# KiCad board Control_1v1.kicad_pcb (continued)
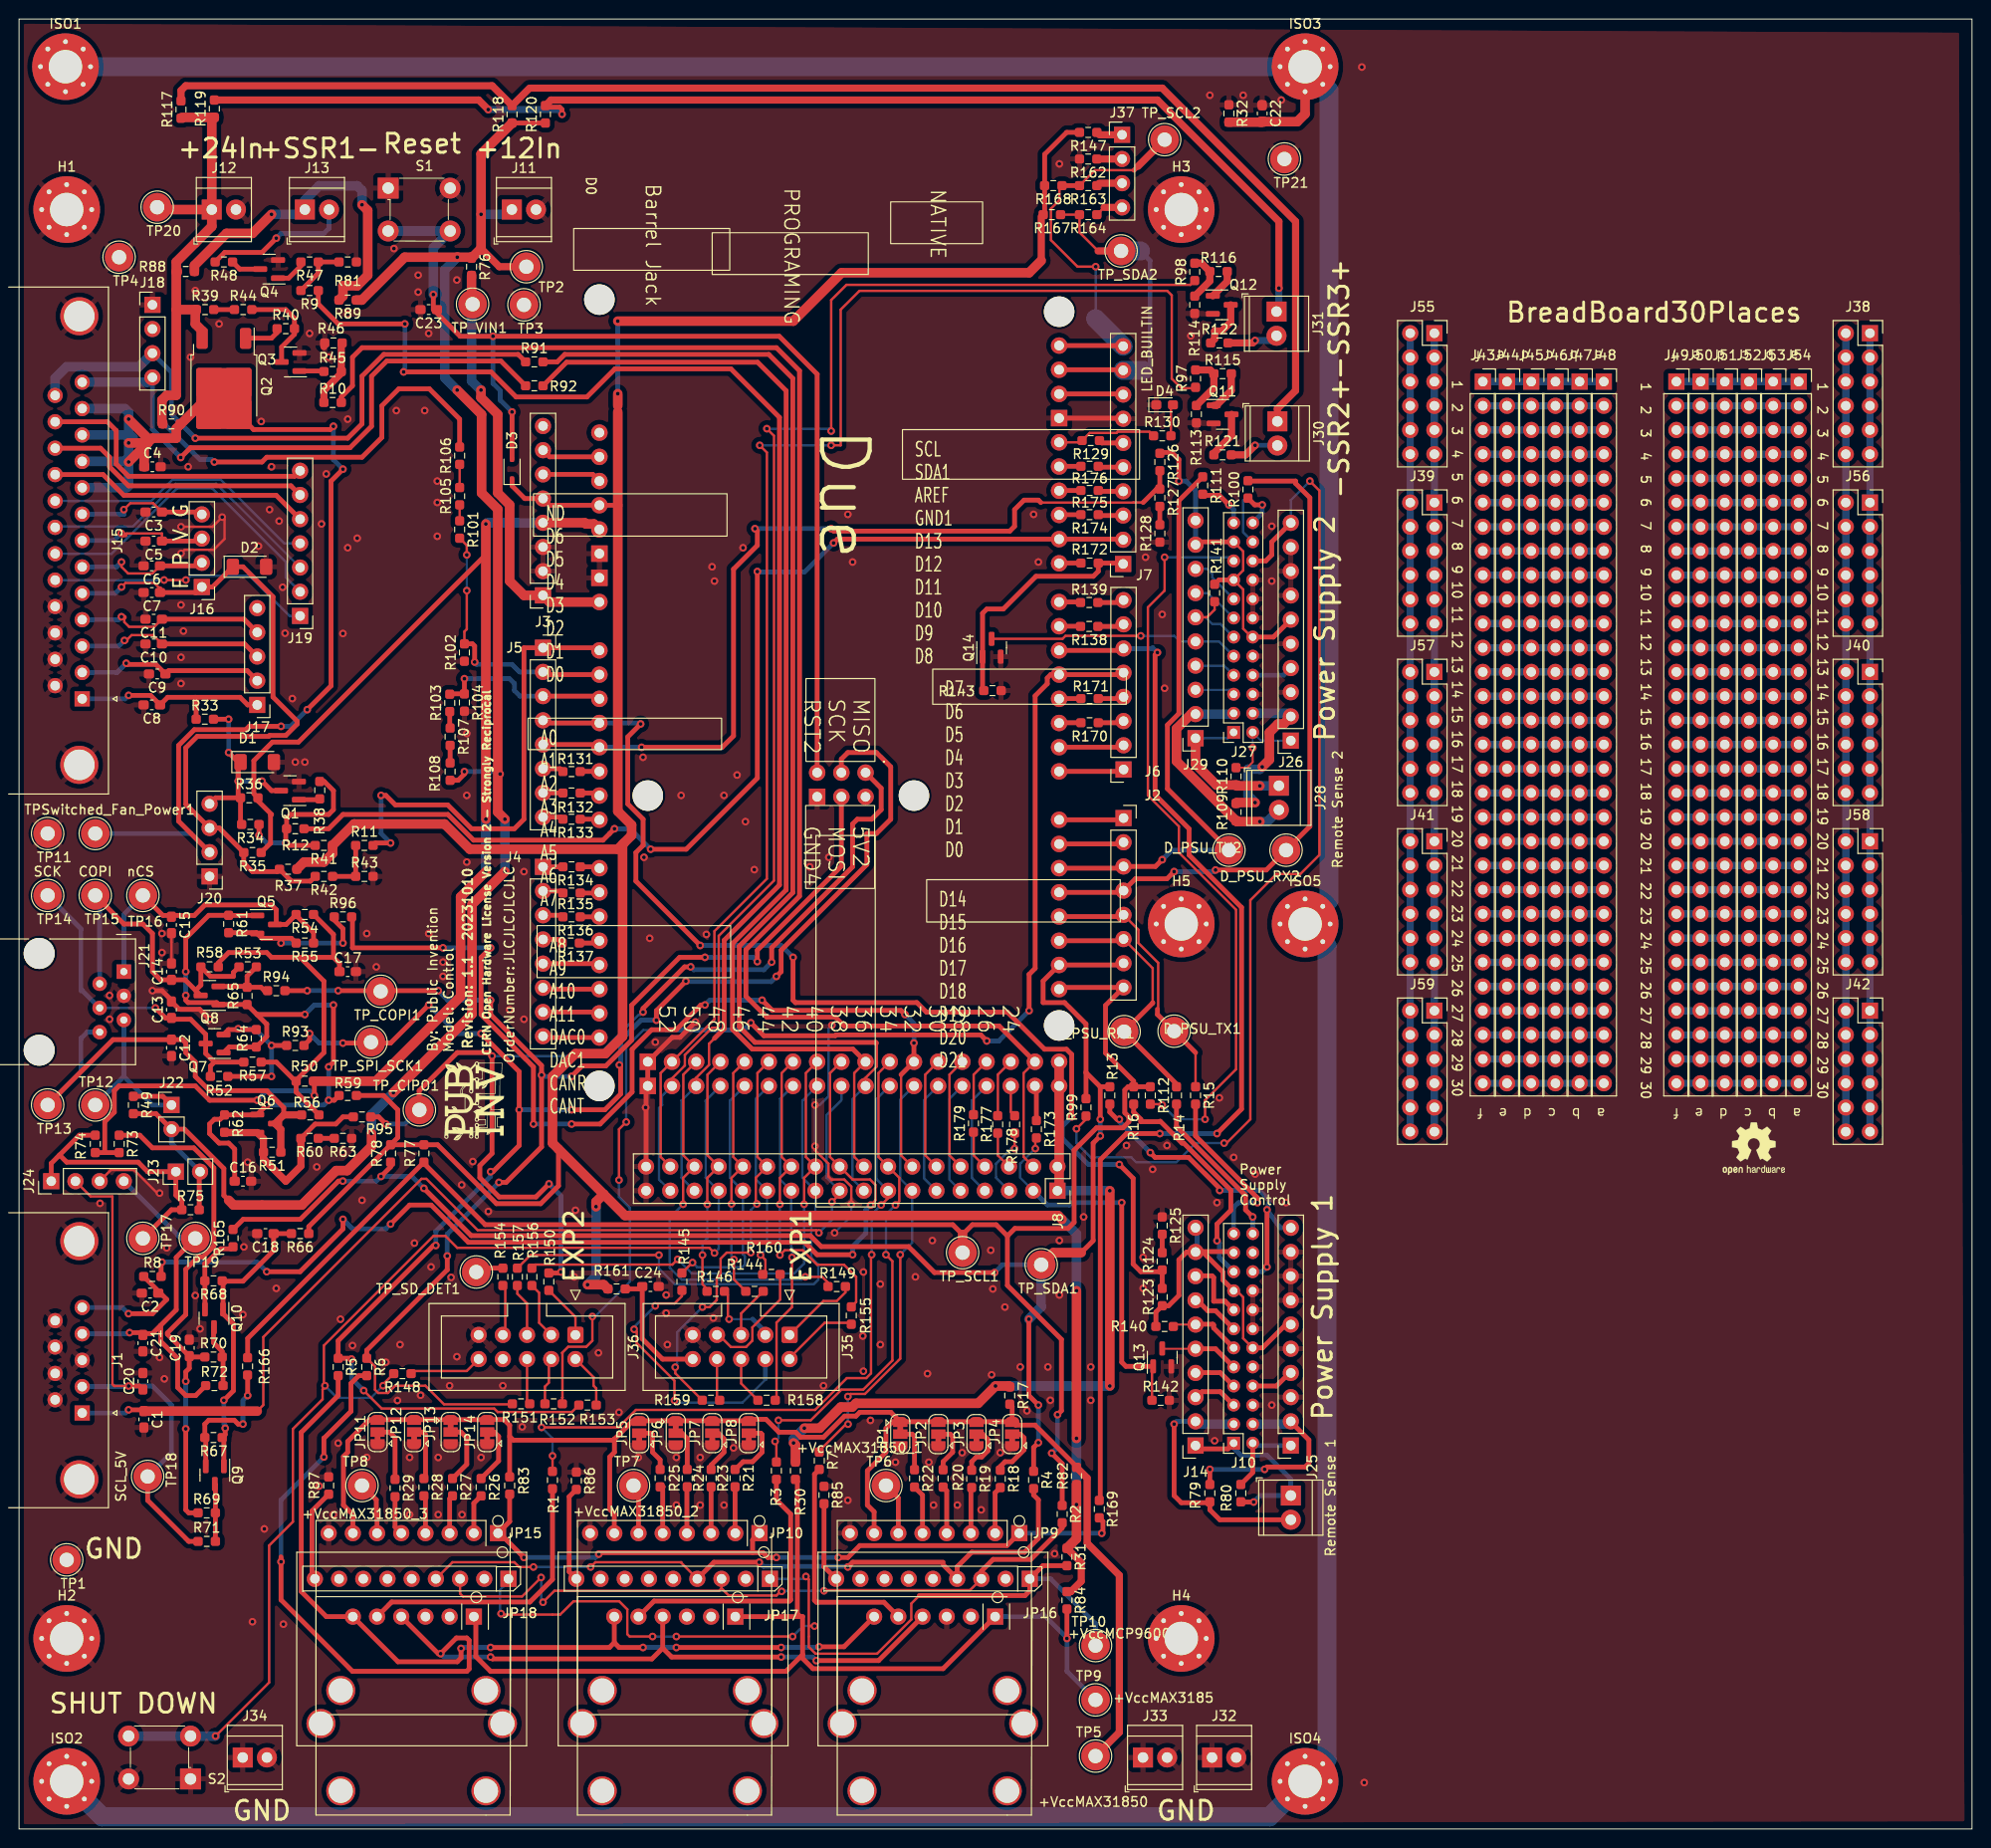
[diagram p0: board, top side]
## Placement (name value [footprint] x y rotation side) (continued)
R99  1R0  [R_0603_1608Metric_Pad0.98x0.95mm_HandSolder]  112 75.75 90 top
R100  1R0  [R_0603_1608Metric_Pad0.98x0.95mm_HandSolder]  129 140.62 90 top
R101  10K  [R_0603_1608Metric_Pad0.98x0.95mm_HandSolder]  46.25 136.41 270 top
R102  4K7  [R_0603_1608Metric_Pad0.98x0.95mm_HandSolder]  46.75 123.5 90 top
R103  10K  [R_0603_1608Metric_Pad0.98x0.95mm_HandSolder]  45.21 118.21 90 top
R104  10K  [R_0603_1608Metric_Pad0.98x0.95mm_HandSolder]  46.75 118.25 270 top
R105  10K  [R_0603_1608Metric_Pad0.98x0.95mm_HandSolder]  46.25 139.91 90 top
R106  10K  [R_0603_1608Metric_Pad0.98x0.95mm_HandSolder]  46.25 144.16 90 top
R107  10K  [R_0603_1608Metric_Pad0.98x0.95mm_HandSolder]  45.25 114.66 270 top
R108  10K  [R_0603_1608Metric_Pad0.98x0.95mm_HandSolder]  45.25 111 270 top
R109  1R0  [R_0603_1608Metric_Pad0.98x0.95mm_HandSolder]  127.75 106.75 90 top
R110  1R0  [R_0603_1608Metric_Pad0.98x0.95mm_HandSolder]  127.75 110.5 90 top
R111  1R0  [R_0603_1608Metric_Pad0.98x0.95mm_HandSolder]  124.25 141.03 270 top
R112  1R0  [R_0603_1608Metric_Pad0.98x0.95mm_HandSolder]  118.75 77 270 top
R113  10K  [R_0603_1608Metric_Pad0.98x0.95mm_HandSolder]  123.59 148.52 270 top
R114  10K  [R_0603_1608Metric_Pad0.98x0.95mm_HandSolder]  123.41 160 270 top
R115  1K  [R_0603_1608Metric_Pad0.98x0.95mm_HandSolder]  126.34 152.77 0 top
R116  1K  [R_0603_1608Metric_Pad0.98x0.95mm_HandSolder]  125.91 163.5 0 top
R117  1R0  [R_0603_1608Metric_Pad0.98x0.95mm_HandSolder]  17 180.5 90 top
R118  DNI  [R_0603_1608Metric_Pad0.98x0.95mm_HandSolder]  51.75 180 90 top
R119  1R0  [R_0603_1608Metric_Pad0.98x0.95mm_HandSolder]  20.5 180.59 90 top
R120  DNI  [R_0603_1608Metric_Pad0.98x0.95mm_HandSolder]  55.25 180 90 top
R121  1R0  [R_0603_1608Metric_Pad0.98x0.95mm_HandSolder]  126.34 144.25 0 top
R122  1R0  [R_0603_1608Metric_Pad0.98x0.95mm_HandSolder]  126 156 0 top
R123  10K  [R_0603_1608Metric_Pad0.98x0.95mm_HandSolder]  120 55.84 90 top
R124  10K  [R_0603_1608Metric_Pad0.98x0.95mm_HandSolder]  120 59.59 90 top
R125  4K7  [R_0603_1608Metric_Pad0.98x0.95mm_HandSolder]  120 63.34 270 top
R126  10K  [R_0603_1608Metric_Pad0.98x0.95mm_HandSolder]  119.75 143.5 270 top
R127  10K  [R_0603_1608Metric_Pad0.98x0.95mm_HandSolder]  119.75 139.75 270 top
R128  4K7  [R_0603_1608Metric_Pad0.98x0.95mm_HandSolder]  119.75 136 90 top
R129  39R  [R_0603_1608Metric_Pad0.98x0.95mm_HandSolder]  112.5 145.75 180 top
R130  1K  [R_0603_1608Metric_Pad0.98x0.95mm_HandSolder]  120 146.25 0 top
R131  39R  [R_0603_1608Metric_Pad0.98x0.95mm_HandSolder]  58 111 180 top
R132  39R  [R_0603_1608Metric_Pad0.98x0.95mm_HandSolder]  58 108.75 180 top
R133  39R  [R_0603_1608Metric_Pad0.98x0.95mm_HandSolder]  58 106 180 top
R134  39R  [R_0603_1608Metric_Pad0.98x0.95mm_HandSolder]  58 101 180 top
R135  39R  [R_0603_1608Metric_Pad0.98x0.95mm_HandSolder]  58 98.25 180 top
R136  39R  [R_0603_1608Metric_Pad0.98x0.95mm_HandSolder]  58 95.75 180 top
R137  39R  [R_0603_1608Metric_Pad0.98x0.95mm_HandSolder]  57.91 93 180 top
R138  39R  [R_0603_1608Metric_Pad0.98x0.95mm_HandSolder]  112.34 126.24 180 top
R139  39R  [R_0603_1608Metric_Pad0.98x0.95mm_HandSolder]  112.34 128.75 180 top
R140  1R0  [R_0603_1608Metric_Pad0.98x0.95mm_HandSolder]  120.25 52.75 0 top
R141  1R0  [R_0603_1608Metric_Pad0.98x0.95mm_HandSolder]  125.5 129.75 270 top
R142  10K  [R_0603_1608Metric_Pad0.98x0.95mm_HandSolder]  119.84 45 0 top
R143  10K  [R_0603_1608Metric_Pad0.98x0.95mm_HandSolder]  102.18 119.5 0 top
R144  1R0  [R_0603_1608Metric_Pad0.98x0.95mm_HandSolder]  77.2 56.44 180 top
R145  1R0  [R_0603_1608Metric_Pad0.98x0.95mm_HandSolder]  69.58 57.45 90 top
R146  1R0  [R_0603_1608Metric_Pad0.98x0.95mm_HandSolder]  73.14 56.44 180 top
R147  1R0  [R_0603_1608Metric_Pad0.98x0.95mm_HandSolder]  112.23 178.1 180 top
R148  1R0  [R_0603_1608Metric_Pad0.98x0.95mm_HandSolder]  40.24 47.8 180 top
R149  1R0  [R_0603_1608Metric_Pad0.98x0.95mm_HandSolder]  85.84 56.94 180 top
R150  1R0  [R_0603_1608Metric_Pad0.98x0.95mm_HandSolder]  55.61 57.45 90 top
R151  1R0  [R_0603_1608Metric_Pad0.98x0.95mm_HandSolder]  52.69 44.62 180 top
R152  1R0  [R_0603_1608Metric_Pad0.98x0.95mm_HandSolder]  56.12 44.62 0 top
R153  1R0  [R_0603_1608Metric_Pad0.98x0.95mm_HandSolder]  59.67 44.5 180 top
R154  1R0  [R_0603_1608Metric_Pad0.98x0.95mm_HandSolder]  50.78 57.96 90 top
R155  1R0  [R_0603_1608Metric_Pad0.98x0.95mm_HandSolder]  87.36 53.9 270 top
R156  1R0  [R_0603_1608Metric_Pad0.98x0.95mm_HandSolder]  53.83 57.96 270 top
R157  1R0  [R_0603_1608Metric_Pad0.98x0.95mm_HandSolder]  52.31 57.96 270 top
R158  1R0  [R_0603_1608Metric_Pad0.98x0.95mm_HandSolder]  78.47 45.01 180 top
R159  1R0  [R_0603_1608Metric_Pad0.98x0.95mm_HandSolder]  72.63 45.01 0 top
R160  1R0  [R_0603_1608Metric_Pad0.98x0.95mm_HandSolder]  78.98 58.21 0 top
R161  1R0  [R_0603_1608Metric_Pad0.98x0.95mm_HandSolder]  62.72 56.69 180 top
R162  1R0  [R_0603_1608Metric_Pad0.98x0.95mm_HandSolder]  112.23 175.31 180 top
R163  1R0  [R_0603_1608Metric_Pad0.98x0.95mm_HandSolder]  112.23 172.51 180 top
R164  1R0  [R_0603_1608Metric_Pad0.98x0.95mm_HandSolder]  112.23 169.47 180 top
R165  1R0  [R_0603_1608Metric_Pad0.98x0.95mm_HandSolder]  22.46 62.02 90 top
R166  1R0  [R_0603_1608Metric_Pad0.98x0.95mm_HandSolder]  23.99 48.56 90 top
R167  4K7  [R_0603_1608Metric_Pad0.98x0.95mm_HandSolder]  108.42 169.47 180 top
R168  4K7  [R_0603_1608Metric_Pad0.98x0.95mm_HandSolder]  108.57 172.51 180 top
R169  1R0  [R_0603_1608Metric_Pad0.98x0.95mm_HandSolder]  113.4 33.58 90 top
R170  39R  [R_0603_1608Metric_Pad0.98x0.95mm_HandSolder]  112.38 116.13 180 top
R171  39R  [R_0603_1608Metric_Pad0.98x0.95mm_HandSolder]  112.38 118.67 180 top
R172  1K  [R_0603_1608Metric_Pad0.98x0.95mm_HandSolder]  112.38 132.89 0 top
R173  1K  [R_0603_1608Metric_Pad0.98x0.95mm_HandSolder]  106.79 73.45 270 top
R174  39R  [R_0603_1608Metric_Pad0.98x0.95mm_HandSolder]  112.38 137.97 180 top
R175  39R  [R_0603_1608Metric_Pad0.98x0.95mm_HandSolder]  112.38 140.51 180 top
R176  39R  [R_0603_1608Metric_Pad0.98x0.95mm_HandSolder]  112.38 143.05 180 top
R177  39R  [R_0603_1608Metric_Pad0.98x0.95mm_HandSolder]  102.73 73.96 90 top
R178  39R  [R_0603_1608Metric_Pad0.98x0.95mm_HandSolder]  104.51 73.96 90 top
R179  39R  [R_0603_1608Metric_Pad0.98x0.95mm_HandSolder]  100.19 74.07 90 top
REF**  -  [OSHW-Logo2_7.3x6mm_SilkScreen]  182.1 71.42 0 top
S1  SWITCH_TACTILE_SPST-NO_0.05A_24V  [Switch_Tactile_THT_6x6mm]  38.75 172.25 0 top
S2  SWITCH_TACTILE_SPST-NO_0.05A_24V  [Switch_Tactile_THT_6x6mm]  18 5.25 180 top
TP1  GND  [TestPoint_Loop_D2.54mm_Drill1.5mm_Beaded]  5 28.25 0 top
TP2  +12V  [TestPoint_Loop_D2.54mm_Drill1.5mm_Beaded]  53.25 164 0 top
TP3  GND  [TestPoint_Loop_D2.54mm_Drill1.5mm_Beaded]  53 160 0 top
TP4  GND  [TestPoint_Loop_D2.54mm_Drill1.5mm_Beaded]  10.5 165 0 top
TP5  +VccMAX31850  [TestPoint_Loop_D2.54mm_Drill1.5mm_Beaded]  113 7.65 180 top
TP6  +VccMAX31850_1  [TestPoint_Loop_D2.54mm_Drill1.5mm_Beaded]  91 36.05 180 top
TP7  +VccMAX31850_2  [TestPoint_Loop_D2.54mm_Drill1.5mm_Beaded]  64.5 36.05 180 top
TP8  +VccMAX31850_3  [TestPoint_Loop_D2.54mm_Drill1.5mm_Beaded]  36 36.05 180 top
TP9  +VccMAX3185  [TestPoint_Loop_D2.54mm_Drill1.5mm_Beaded]  113 13.55 180 top
TP10  +VccMCP9600  [TestPoint_Loop_D2.54mm_Drill1.5mm_Beaded]  113 19.25 180 top
TP11  GND  [TestPoint_Loop_D2.54mm_Drill1.5mm_Beaded]  3 104.5 0 top
TP12  ControllerVCC  [TestPoint_Loop_D2.54mm_Drill1.5mm_Beaded]  8 76 0 top
TP13  CPIO  [TestPoint_Loop_D2.54mm_Drill1.5mm_Beaded]  3 76 0 top
TP14  SCK  [TestPoint_Loop_D2.54mm_Drill1.5mm_Beaded]  3 98 0 top
TP15  COPI  [TestPoint_Loop_D2.54mm_Drill1.5mm_Beaded]  8 98 0 top
TP16  nCS  [TestPoint_Loop_D2.54mm_Drill1.5mm_Beaded]  13 98 180 top
TP17  I2C_VCC  [TestPoint_Loop_D2.54mm_Drill1.5mm_Beaded]  13 62 90 top
TP18  SCL_5V  [TestPoint_Loop_D2.54mm_Drill1.5mm_Beaded]  13.5 37 90 top
TP19  SDA_5V  [TestPoint_Loop_D2.54mm_Drill1.5mm_Beaded]  18.5 62 0 top
TP20  +24V  [TestPoint_Loop_D2.54mm_Drill1.5mm_Beaded]  14.5 170.25 0 top
TP21  GND  [TestPoint_Loop_D2.54mm_Drill1.5mm_Beaded]  132.83 175.31 0 top
TP_CIPO1  CIPO  [TestPoint_Loop_D2.54mm_Drill1.5mm_Beaded]  42.02 75.49 0 top
TP_COPI1  COPI  [TestPoint_Loop_D2.54mm_Drill1.5mm_Beaded]  37.96 87.93 0 top
TP_SCL1  SCL  [TestPoint_Loop_D2.54mm_Drill1.5mm_Beaded]  99.04 60.5 0 top
TP_SCL2  SCL1  [TestPoint_Loop_D2.54mm_Drill1.5mm_Beaded]  120.25 177.34 0 top
TP_SD_DET1  TP_SD_DET  [TestPoint_Loop_D2.54mm_Drill1.5mm_Beaded]  47.99 58.47 0 top
TP_SDA1  SDA  [TestPoint_Loop_D2.54mm_Drill1.5mm_Beaded]  107.3 59.23 0 top
TP_SDA2  SDA1  [TestPoint_Loop_D2.54mm_Drill1.5mm_Beaded]  115.68 165.66 0 top
TP_SPI_SCK1  SPI_SCK  [TestPoint_Loop_D2.54mm_Drill1.5mm_Beaded]  36.94 82.6 0 top
TP_VIN1  VIN1  [TestPoint_Loop_D2.54mm_Drill1.5mm_Beaded]  47.61 160.07 0 top
TPSwitched_Fan_Power1  Switched_Fan_Power  [TestPoint_Loop_D2.54mm_Drill1.5mm_Beaded]  8 104.5 0 top

## Library data of the parts
A1 = -: Description: Shield for Arduino Due
C1-C15 C20 C21 C23 = -: Description: Unpolarized capacitor; AssemblyType: SMT; Cost: 0.003; Distributor 1: JLCPCB; Distributor 1 PN: C107049; LongLead: NO; MPN: CC0603JRNPO9BN390; Manufacturer: YAGEO
C16-C19 C24 = -: Description: Unpolarized capacitor; AssemblyType: SMT; Cost: 0.0037; Distributor 1: JLCPCB; Distributor 1 PN: C91183; LongLead: NO; MPN: CC0603JRX7R9BB104; Manufacturer: YAGEO
C22 = -: Description: Unpolarized capacitor; AssemblyType: SMT; Cost: 0.0132; Distributor 1: JLCPCB; Distributor 1 PN: C389113; MPN: CC0603JRNPO9BN103; Manufacturer: YAGEO
D1 D2 = -: Description: 3.3V, 500mW, 2%, Zener diode, MiniMELF; AssemblyType: SMT; Cost: 0.0433; Distributor 1: JLCPCB; Distributor 1 PN: C841097; MPN: DL4733A; Manufacturer: LGE
D3 = -: Description: 40V 600mV@1A 1A SOD-323 Schottky Barrier Diodes, SOD-323; AssemblyType: SMT; Cost: 0.0119; Distributor 1: JLCPCB; Distributor 1 PN: C191023; Manufacturer: Guangdong Hottech
D4 = -: Description: Light emitting diode; AssemblyType: HAND; Category: Optoelectronics; Cost: 0.0054; DK_Datasheet_Link: http://optoelectronics.liteon.com/upload/download/DS22-2000-109/LTST-C171KRKT.pdf; DK_Detail_Page: /product-detail/en/lite-on-inc/LTST-C171KRKT/160-1427-1-ND/386800; Digi-Key_PN: 160-1427-1-ND; Distributor 1: JLCPCB; Distributor 1 PN: C2286; Family: LED Indication - Discrete; MPN: LTST-C171KRKT; Manufacturer: Lite-On Inc.; Status: Active
D_PSU_RX1 D_PSU_RX2 D_PSU_TX1 D_PSU_TX2 TP_CIPO1 TP_COPI1 = -: Description: test point; AssemblyType: HAND; Cost: 0
H1-H5 ISO1-ISO5 = -: Description: Mounting Hole with connection; AssemblyType: NA; Cost: 0; Distributor 1: NA; Distributor 1 PN: NA
J1 = -: Description: 9-pin female D-SUB connector, Mounting Hole; AssemblyType: HAND; Cost: 0.2718; Distributor 1: JLCPCB; Distributor 1 PN: C141882; MPN: D-DMR009PF-D002; Manufacturer: Ckmtw(Shenzhen Cankemeng)
J2-J6 = -: Description: Generic connector, single row, 01x08, script generated (kicad-library-utils/schlib/autogen/connector/); AssemblyType: HAND; Cost: 0.0762; Distributor 1: JLCPCB; Distributor 1 PN: C2894931; MPN: PZ254-1-08-Z-8.5; Manufacturer: HCTL
J7 J9 J14 J26 J29 = -: Description: Generic connector, single row, 01x10, script generated (kicad-library-utils/schlib/autogen/connector/); AssemblyType: HAND; Cost: 0.0942; Distributor 1: JLCPCB; Distributor 1 PN: C2894933; MPN: PZ254-1-10-Z-8.5; Manufacturer: HCTL
J8 = -: Description: Generic connector, double row, 02x18, odd/even pin numbering scheme (row 1 odd numbers, row 2 even numbers), script generated (kicad-library-utils/schlib/autogen/connector/); AssemblyType: HAND; Cost: 0.3441; Distributor 1: JLCPCB; Distributor 1 PN: C132131
J10 J27 = -: Description: Generic connector, double row, 02x12, odd/even pin numbering scheme (row 1 odd numbers, row 2 even numbers), script generated (kicad-library-utils/schlib/autogen/connector/); AssemblyType: HAND; Cost: 1000000; Distributor 1: JLCPCB; Distributor 1 PN: C160327; Distributor 2: JLCPCB; Distributor 2 PN: ?https://jlcpcb.com/partdetail/Jst_SalesAmerica-B24B_PHDSS_B_LF_SN/C160327?; MPN: B24B-PHDSS; Part Number: B24B-PHDSS
J11-J13 J25 J28 J30-J34 = -: Description: Generic screw terminal, single row, 01x02, script generated (kicad-library-utils/schlib/autogen/connector/); AssemblyType: HAND; Cost: 0.1537; Distributor 1: JLCPCB; Distributor 1 PN: C265283; MPN: DB125-2.54-2P-GN-S; Manufacturer: DIBO
J15 = -: Description: 25-pin female D-SUB connector, Mounting Hole; AssemblyType: HAND; Cost: 0.7217; Distributor 1: JLCPCB; Distributor 1 PN: C190083; MPN: D-DMR025PF-D002; Manufacturer: Ckmtw(Shenzhen Cankemeng)
J16 J18 J24 = -: Description: Generic connector, single row, 01x04, script generated (kicad-library-utils/schlib/autogen/connector/); AssemblyType: HAND; Cost: 0.0342; Distributor 1: JLCPCB; Distributor 1 PN: C6332197; MPN: HB-PH3-25414PB2GOP; Manufacturer: Hanbo Electronic
J17 = -: Description: Generic connector, single row, 01x05, script generated (kicad-library-utils/schlib/autogen/connector/); AssemblyType: HAND; Cost: 0.0791; Distributor 1: JLCPCB; Distributor 1 PN: C2897368; MPN: PM254-1-05-Z-8.5; Manufacturer: HCTL
J19 = -: Description: Generic connector, single row, 01x07, script generated (kicad-library-utils/schlib/autogen/connector/); AssemblyType: HAND; Cost: 0.0543; Distributor 1: JLCPCB; Distributor 1 PN: C2932672
J20 J37 = -: Description: Generic connector, single row, 01x04, script generated; AssemblyType: HAND; Cost: 0.0342; Distributor 1: JLCPCB; Distributor 1 PN: C6332197; MPN: HB-PH3-25414PB2GOP; Manufacturer: Hanbo Electronic
J21 = -: Description: RJ connector, 6P6C (6 positions 6 connected), RJ12/RJ18/RJ25; AssemblyType: HAND; Cost: 0.8901; Distributor 1: JLCPCB; Distributor 1 PN: C2683355; Distributor 2: Digikey; Distributor 2 PN: A31422-ND; LongLead: YES; MPN: 5555165-1; Manufacturer: TE Connectivity
J22 J23 = -: Description: CONN HEADER VERT 2POS 2.54MM; AssemblyType: HAND; Category: Connectors, Interconnects; Cost: 0.1458; Distributor 1: JLCPCB; Distributor 1 PN: C168673; Family: Rectangular Connectors - Headers, Male Pins; LongLead: YES; MPN: 68000-102HLF; Manufacturer: Amphenol ICC; Status: Active
J35 J36 = -: Description: Generic connector, double row, 02x05, odd/even pin numbering scheme (row 1 odd numbers, row 2 even numbers), script generated (kicad-library-utils/schlib/autogen/connector/); AssemblyType: HAND; Cost: 0.48; Distributor 1: JLCPCB; Distributor 1 PN: C5665; Distributor 2: Mouser; Distributor 2 PN: 710-61201021621; MPN: 61201021621; Manufacturer: Wurth
J38-J42 J55-J59 = -: Description: Generic connector, double row, 02x06, odd/even pin numbering scheme (row 1 odd numbers, row 2 even numbers), script generated (kicad-library-utils/schlib/autogen/connector/)
J43-J54 = -: Description: Generic connector, single row, 01x30, script generated (kicad-library-utils/schlib/autogen/connector/)
JP1-JP8 JP11-JP14 = -: Description: 3-pole Solder Jumper, pins 1+2 closed/bridged; AssemblyType: DNI; Cost: 0; Distributor 1: PublicInvention; Distributor 1 PN: NA; MPN: NA; Manufacturer: NA
JP9 = -: Description: Generic connector, single row, 01x08, script generated (kicad-library-utils/schlib/autogen/connector/); AssemblyType: HAND; Cost: 14.95; Distributor 1: adafruit; Distributor 1 PN: 1727; MPN: 1727; Manufacturer: Adafruit
JP10 JP15 = -: Description: Thermocouple Amplifier with 1-Wire Breakout Board - MAX31850K; AssemblyType: HAND; Cost: 14.95; Distributor 1: adafruit; Distributor 1 PN: 1727; MPN: 1727; Manufacturer: Adafruit
JP16-JP18 = -: Description: Thermocouple Amplifier MAX31855 breakout board (MAX6675 upgrade); AssemblyType: HAND; Cost: 14.95; Distributor 1: adafruit; Distributor 1 PN: 269; MPN: 269; Manufacturer: Adafruit
JP19-JP21 = -: Description: Adafruit MCP9600 I2C Thermocouple Amplifier - K, J, T, N, S, E, B and R Type T; AssemblyType: HAND; Cost: 15.95; Distributor 1: adafruit; Distributor 1 PN: 4101; MPN: 4101; Manufacturer: Adafruit
Q1 Q3 Q4 Q11-Q14 = -: Description: 50V Vds, 0.22A Id, N-Channel MOSFET, SOT-23; AssemblyType: SMT; Cost: 0.0196; Distributor 1: JLCPCB; Distributor 1 PN: C400505; Manufacturer: Yangzhou Yangjie Electronic Technology Co., Ltd
Q2 = -: Description: 45A Id, 30V Vds, TrenchFET P-Channel Power MOSFET, 8.7mOhm Ron, 90nC Qg, -55 to 150 °C, TO-252-2; AssemblyType: SMT; Cost: $0.51; Distributor 1: JLCPCB; Distributor 1 PN: C115991; Manufacturer: Wuxi NCE Power Semiconductor
Q5-Q10 = -: Description: 50V Vds, 0.22A Id, N-Channel MOSFET, SOT-23; AssemblyType: SMT; Cost: 0.0196; Distributor 1: JLCPCB; Distributor 1 PN: C400505; LongLead: NO; Manufacturer: Yangzhou Yangjie Elec Tech
R1-R16 R31 R33 R48-R50 R59 R66 R73 R76 R79 R80 R82 R84 R88 R91-R100 R109-R112 R117 R119 R121 R122 R140 R141 R144-R166 R169 = -: Description: Resistor; AssemblyType: SMT; Cost: 0.0015; Distributor 1: JLCPCB; Distributor 1 PN: C269434; LongLead: NO; MPN: RMC060315%N; Manufacturer: TyoHM
R17 R30 R89 R118 R120 = -: Description: Resistor; AssemblyType: SMT; Cost: 0.0015; MPN: RMC060315%N; Manufacturer: TyoHM
R18-R29 R36-R38 R42 R45 R47 R54 R57 R58 R62 R115 R116 R130 R172 R173 = -: Description: Resistor; AssemblyType: SMT; Cost: 0.0015; Distributor 1: JLCPCB; Distributor 1 PN: C269704; LongLead: NO; MPN: RMC06031K1%N; Manufacturer: TyoHM
R32 = -: Description: Resistor; AssemblyType: SMT; Cost: 0.0012; Distributor 1: JLCPCB; Distributor 1 PN: C23163; MPN: 0603WAF4704T5E; Manufacturer: TyoHM
R34 R35 R43 R90 = -: Description: Resistor; Cost: 0.0015
R39-R41 R44 R46 R56 R61 R64 R65 R67-R70 R81 R101 R103-R108 R113 R114 R123 R124 R126 R127 R142 R143 = -: Description: Resistor; AssemblyType: SMT; Cost: 0.0015; Distributor 1: JLCPCB; Distributor 1 PN: C269701; LongLead: NO; MPN: RMC060310KFN; Manufacturer: TyoHM
R51-R53 R55 R60 R63 = -: Description: Resistor; AssemblyType: SMT; Cost: 0.0015; LongLead: NO; MPN: RMC06031K1%N; Manufacturer: TyoHM
R71 R72 R129 R131-R139 R170 R171 R174-R179 = -: Description: Resistor; AssemblyType: SMT; Cost: 0.0015; Distributor 1: JLCPCB; Distributor 1 PN: C325713; LongLead: NO; MPN: RMC0603391%N; Manufacturer: TyoHM
R74 R75 = -: Description: Resistor; AssemblyType: SMT; Cost: 0.0015; LongLead: NO
R77 R83 R102 R125 R128 R167 R168 = -: Description: Resistor; AssemblyType: SMT; Cost: 0.0015; Distributor 1: JLCPCB; Distributor 1 PN: C23162; MPN: RMC 0603 4K7 F N; Manufacturer: UNI-ROYAL(Uniroyal Elec)
R78 = -: Description: Resistor; AssemblyType: SMT; Cost: 0.0015; Distributor 1: JLCPCB; Distributor 1 PN: C23162; MPN: 0603WAF4701T5E; Manufacturer: UNI-ROYAL(Uniroyal Elec)
R85-R87 = -: Description: Resistor; AssemblyType: SMT; Cost: 0.0015; MPN: RMC06031K1%N; Manufacturer: TyoHM
S1 S2 = -: Description: SWITCH TACTILE SPST-NO 0.05A 24V; AssemblyType: HAND; Category: Switches; Cost: 0.0315; DK_Datasheet_Link: https://www.te.com/commerce/DocumentDelivery/DDEController?Action=srchrtrv&DocNm=1825910&DocType=Customer+Drawing&DocLang=English; DK_Detail_Page: /product-detail/en/te-connectivity-alcoswitch-switches/1825910-7/450-1804-ND/1731414; Distributor 1: JLCPCB; Distributor 1 PN: C428628; Distributor 2: Digikey; Distributor 2 PN: 450-1804-ND; Family: Tactile Switches; MPN: TE Connectivity 1825910-7,   Dongguan Guangzhu Industrial C13828; Manufacturer: TE Connectivity ALCOSWITCH Switches; Status: Active
TP1-TP11 TP20 TP21 TP_SCL1 TP_SCL2 TP_SD_DET1 TP_SDA1 TP_SDA2 TP_SPI_SCK1 TP_VIN1 TPSwitched_Fan_Power1 = -: Description: test point; AssemblyType: HAND; Cost: NA
TP12-TP19 = -: Description: test point; AssemblyType: DNI; Cost: NA; Distributor 1: NA; Distributor 1 PN: NA; LongLead: NO

## Footprints (pads in the part's own frame, mm; a bottom-side part is the same pattern mirrored in y, then rotated)
Adafruit_MAX31850K_Module
  rect 1.7x1.7 hole 1: 1(0,0)
  oval 1.7x1.7 hole 1: 2(2.54,0) 3(5.08,0) 4(7.62,0) 5(10.16,0) 6(12.7,0) 7(15.24,0) 8(17.78,0)
  round 3.048 hole 2.54: 9(1.27,16.51) 10(16.51,16.51)
Adafruit_MAX31855_Module
  rect 1.7x1.7 hole 1: 1(2.54,0.762)
  oval 1.7x1.7 hole 1: 2(5.08,0.762) 3(7.62,0.762) 4(10.16,0.762) 5(12.7,0.762) 6(15.24,0.762)
  round 3.048 hole 2.54: 8(1.27,19.05) 9(16.51,19.05)
Adafruit_MCP9600_Module
  rect 1.7x1.7 hole 1: 1(1.905,2.794)
  oval 1.7x1.7 hole 1: 2(4.445,2.794) 3(6.985,2.794) 4(9.525,2.794) 5(12.065,2.794) 6(14.605,2.794) 7(17.145,2.794) 8(19.685,2.794) 9(22.225,2.794)
  round 3.048 hole 2.54: 10(2.54,17.983) 11(21.59,17.983)
Arduino_Due_Shield_Annotated
  round 3.2 hole 3.2 unplated: (13.97,2.54) (15.24,50.8) (66.04,35.56) (66.04,7.62) (90.17,50.8) (96.52,2.54)
  oval 1.727x1.727 hole 1.016: (27.94,2.54) 3V3(35.56,2.54) 5V1(38.1,2.54) 5V2(66.167,30.48) 5V3(93.98,50.8) 5V4(96.52,50.8) A0(50.8,2.54) A1(53.34,2.54) A2(55.88,2.54) A3(58.42,2.54) A4(60.96,2.54) A5(63.5,2.54) A6(66.04,2.54) A7(68.58,2.54) A8(73.66,2.54) A9(76.2,2.54) A10(78.74,2.54) A11(81.28,2.54) AREF(23.876,50.8) CANR(88.9,2.54) CANT(91.44,2.54) D0(63.5,50.8) D1(60.96,50.8) D2(58.42,50.8) D3(55.88,50.8) D4(53.34,50.8) D5(50.8,50.8) D6(48.26,50.8) D7(45.72,50.8) D8(41.656,50.8) D9(39.116,50.8) D10(36.576,50.8) D11(34.036,50.8) D12(31.496,50.8) D13(28.956,50.8) D14(68.58,50.8) D15(71.12,50.8) D16(73.66,50.8) D17(76.2,50.8) D18(78.74,50.8) D19(81.28,50.8) D20(83.82,50.8) D21(86.36,50.8) D22(93.98,48.26) D23(96.52,48.26) D24(93.98,45.72) D25(96.52,45.72) D26(93.98,43.18) D27(96.52,43.18) D28(93.98,40.64) D29(96.52,40.64) D30(93.98,38.1) D31(96.52,38.1) D32(93.98,35.56) D33(96.52,35.56) D34(93.98,33.02) D35(96.52,33.02) D36(93.98,30.48) D37(96.52,30.48) D38(93.98,27.94) D39(96.52,27.94) D40(93.98,25.4) D41(96.52,25.4) D42(93.98,22.86) D43(96.52,22.86) D44(93.98,20.32) D45(96.52,20.32) D46(93.98,17.78) D47(96.52,17.78) D48(93.98,15.24) D49(96.52,15.24) D50(93.98,12.7) D51(96.52,12.7) D52(93.98,10.16) D53(96.52,10.16) DAC0(83.82,2.54) DAC1(86.36,2.54) IORF(30.48,2.54) MISO(63.627,30.48) MOSI(66.167,27.94) RST1(33.02,2.54) RST2(63.627,25.4) SCK(63.627,27.94) SCL1(18.796,50.8) SDA1(21.336,50.8) VIN(45.72,2.54)
  rect 1.727x1.727 hole 1.016: GND1(26.416,50.8) GND2(40.64,2.54) GND3(43.18,2.54) GND4(66.167,25.4) GND5(93.98,7.62) GND6(96.52,7.62)
C_0603_1608Metric_Pad1.08x0.95mm_HandSolder
  rrect 1.075x0.95 smd: 1(-0.863,0) 2(0.863,0)
D_MiniMELF
  rrect 1.3x1.7 smd: 1(-1.75,0) 2(1.75,0)
D_SOD-323
  rrect 0.6x0.45 smd: 1(-1.05,0) 2(1.05,0)
DSUB-9_Female_Horizontal_P2.77x2.84mm_EdgePinOffset4.94mm_Housed_MountingHolesOffset7.48mm
  round 4 hole 3.2: 0(-18.04,-0.3) 0(6.96,-0.3)
  rect 1.6x1.6 hole 1: 1(0,0)
  round 1.6 hole 1: 2(-2.77,0) 3(-5.54,0) 4(-8.31,0) 5(-11.08,0) 6(-1.385,-2.84) 7(-4.155,-2.84) 8(-6.925,-2.84) 9(-9.695,-2.84)
DSUB-25_Female_Horizontal_P2.77x2.84mm_EdgePinOffset4.94mm_Housed_MountingHolesOffset7.48mm
  round 4 hole 3.2: 0(-40.17,-0.3) 0(6.93,-0.3)
  rect 1.6x1.6 hole 1: 1(0,0)
  round 1.6 hole 1: 2(-2.77,0) 3(-5.54,0) 4(-8.31,0) 5(-11.08,0) 6(-13.85,0) 7(-16.62,0) 8(-19.39,0) 9(-22.16,0) 10(-24.93,0) 11(-27.7,0) 12(-30.47,0) 13(-33.24,0) 14(-1.385,-2.84) 15(-4.155,-2.84) 16(-6.925,-2.84) 17(-9.695,-2.84) 18(-12.465,-2.84) 19(-15.235,-2.84) 20(-18.005,-2.84) 21(-20.775,-2.84) 22(-23.545,-2.84) 23(-26.315,-2.84) 24(-29.085,-2.84) 25(-31.855,-2.84)
IDC-Header_2x05_P2.54mm_Vertical
  rrect 1.7x1.7 hole 1: 1(0,0)
  round 1.7 hole 1: 2(2.54,0) 3(0,-2.54) 4(2.54,-2.54) 5(0,-5.08) 6(2.54,-5.08) 7(0,-7.62) 8(2.54,-7.62) 9(0,-10.16) 10(2.54,-10.16)
LED_0603_1608Metric_Pad1.05x0.95mm_HandSolder
  rrect 1.05x0.95 smd: 1(-0.875,0) 2(0.875,0)
MountingHole_3.5mm_Pad_Via
  round 0.8 hole 0.5: 1(-2.625,0) 1(-1.856,1.856) 1(-1.856,-1.856) 1(0,2.625) 1(0,-2.625) 1(1.856,1.856) 1(1.856,-1.856) 1(2.625,0)
  round 7 hole 3.5: 1(0,0)
PinHeader_1x02_P2.54mm_Vertical
  rect 1.7x1.7 hole 1: 1(0,0)
  oval 1.7x1.7 hole 1: 2(0,-2.54)
PinHeader_1x04_P2.54mm_Vertical
  rect 1.7x1.7 hole 1: 1(0,0)
  oval 1.7x1.7 hole 1: 2(0,-2.54) 3(0,-5.08) 4(0,-7.62)
PinHeader_1x05_P2.54mm_Vertical
  rect 1.7x1.7 hole 1: 1(0,0)
  oval 1.7x1.7 hole 1: 2(0,-2.54) 3(0,-5.08) 4(0,-7.62) 5(0,-10.16)
PinHeader_1x07_P2.54mm_Vertical
  rect 1.7x1.7 hole 1: 1(0,0)
  oval 1.7x1.7 hole 1: 2(0,-2.54) 3(0,-5.08) 4(0,-7.62) 5(0,-10.16) 6(0,-12.7) 7(0,-15.24)
PinHeader_2x12_P2.00mm_Vertical_JST
  rect 1.35x1.35 hole 0.8: 1(2.032,0)
  oval 1.35x1.35 hole 0.8: 2(0.032,0) 3(2.032,-2) 4(0.032,-2) 5(2.032,-4) 6(0.032,-4) 7(2.032,-6) 8(0.032,-6) 9(2.032,-8) 10(0.032,-8) 11(2.032,-10) 12(0.032,-10) 13(2.032,-12) 14(0.032,-12) 15(2.032,-14) 16(0.032,-14) 17(2.032,-16) 18(0.032,-16) 19(2.032,-18) 20(0.032,-18) 21(2.032,-20) 22(0.032,-20) 23(2.032,-22) 24(0.032,-22)
PinSocket_1x08_P2.54mm_Vertical
  rect 1.7x1.7 hole 1: 1(0,0)
  oval 1.7x1.7 hole 1: 2(0,-2.54) 3(0,-5.08) 4(0,-7.62) 5(0,-10.16) 6(0,-12.7) 7(0,-15.24) 8(0,-17.78)
PinSocket_1x10_P2.54mm_Vertical
  rect 1.7x1.7 hole 1: 1(0,0)
  oval 1.7x1.7 hole 1: 2(0,-2.54) 3(0,-5.08) 4(0,-7.62) 5(0,-10.16) 6(0,-12.7) 7(0,-15.24) 8(0,-17.78) 9(0,-20.32) 10(0,-22.86)
PinSocket_1x30_P2.54mm_Vertical
  rect 1.7x1.7 hole 1: 1(0,0)
  oval 1.7x1.7 hole 1: 2(0,-2.54) 3(0,-5.08) 4(0,-7.62) 5(0,-10.16) 6(0,-12.7) 7(0,-15.24) 8(0,-17.78) 9(0,-20.32) 10(0,-22.86) 11(0,-25.4) 12(0,-27.94) 13(0,-30.48) 14(0,-33.02) 15(0,-35.56) 16(0,-38.1) 17(0,-40.64) 18(0,-43.18) 19(0,-45.72) 20(0,-48.26) 21(0,-50.8) 22(0,-53.34) 23(0,-55.88) 24(0,-58.42) 25(0,-60.96) 26(0,-63.5) 27(0,-66.04) 28(0,-68.58) 29(0,-71.12) 30(0,-73.66)
PinSocket_2x06_P2.54mm_Vertical
  rect 1.7x1.7 hole 1: 1(0,0)
  oval 1.7x1.7 hole 1: 2(-2.54,0) 3(0,-2.54) 4(-2.54,-2.54) 5(0,-5.08) 6(-2.54,-5.08) 7(0,-7.62) 8(-2.54,-7.62) 9(0,-10.16) 10(-2.54,-10.16) 11(0,-12.7) 12(-2.54,-12.7)
PinSocket_2x18_P2.54mm_Vertical
  rect 1.7x1.7 hole 1: 1(0,0)
  oval 1.7x1.7 hole 1: 2(-2.54,0) 3(0,-2.54) 4(-2.54,-2.54) 5(0,-5.08) 6(-2.54,-5.08) 7(0,-7.62) 8(-2.54,-7.62) 9(0,-10.16) 10(-2.54,-10.16) 11(0,-12.7) 12(-2.54,-12.7) 13(0,-15.24) 14(-2.54,-15.24) 15(0,-17.78) 16(-2.54,-17.78) 17(0,-20.32) 18(-2.54,-20.32) 19(0,-22.86) 20(-2.54,-22.86) 21(0,-25.4) 22(-2.54,-25.4) 23(0,-27.94) 24(-2.54,-27.94) 25(0,-30.48) 26(-2.54,-30.48) 27(0,-33.02) 28(-2.54,-33.02) 29(0,-35.56) 30(-2.54,-35.56) 31(0,-38.1) 32(-2.54,-38.1) 33(0,-40.64) 34(-2.54,-40.64) 35(0,-43.18) 36(-2.54,-43.18)
R_0603_1608Metric_Pad0.98x0.95mm_HandSolder
  rrect 0.975x0.95 smd: 1(-0.912,0) 2(0.912,0)
RJ12_Amphenol_54601
  round 3.25 hole 3.25 unplated: (-1.91,-8.89) (8.25,-8.89)
  rect 1.52x1.52 hole 0.76: 1(0,0)
  round 1.52 hole 0.76: 2(1.27,-2.54) 3(2.54,0) 4(3.81,-2.54) 5(5.08,0) 6(6.35,-2.54)
SolderJumper-3_P1.3mm_Bridged12_RoundedPad1.0x1.5mm
  custom 1.05x1.5 smd: 1(-1.3,0) 3(1.3,0)
  rect 1x1.5 smd: 2(0,0)
SOT-23
  rrect 1.475x0.6 smd: 1(-0.938,0.95) 2(-0.938,-0.95) 3(0.938,0)
Switch_Tactile_THT_6x6mm
  rect 2.2x2.2 hole 1.2: 1(0,0)
  round 2.2 hole 1.2: 2(6.5,0) 3(0,-4.5) 4(6.5,-4.5)
TerminalBlock_TE_282834-2_1x02_P2.54mm_Horizontal
  rect 2.1x2.1 hole 1.1: 1(0,0)
  round 2.1 hole 1.1: 2(2.54,0)
TestPoint_Loop_D2.54mm_Drill1.5mm_Beaded
  round 3 hole 1.5: 1(0,0)
TO-252-2
  rrect 2.2x1.2 smd: 1(-5.04,2.28) 3(-5.04,-2.28)
  rrect 3.05x2.75 smd: 2(-0.415,1.525) 2(-0.415,-1.525) 2(2.935,1.525) 2(2.935,-1.525)
  rrect 6.4x5.8 smd: 2(1.26,0)

## Nets
5VHead: A1.5V3 A1.5V4 J8.1 J8.2 R17.1 R30.1
+3.3V: A1.3V3 D3.1 J3.5 R31.1 R37.2 R41.1 R59.1 R66.1 R77.2 R78.2 R82.1 R84.1 R147.2 R161.2 R167.2 R168.2
+5V: A1.5V1 J3.4 R35.1 R36.2 R50.1 R73.2 R74.2
+12V: J11.1 J22.2 J23.2 R49.2 R75.2 R76.1 R89.1 R108.2 R118.1 R120.1 TP2.1
+24V: J12.1 Q2.3 R39.1 R88.1 R90.1 R106.2 R117.1 R119.1 TP20.1
/Display Interface/+3v3_local: C24.1 J35.10 R161.1
/I2C_LevelShift/+3V3Local: C18.1 Q9.1 Q10.1 R66.2 R67.1 R68.1
/I2C_LevelShift/+5VLocal: C19.1 R69.1 R70.1 R73.1
/SPI_ControllerLevel_Shifter/+3V3Local: C16.1 Q5.1 Q6.1 Q7.1 Q8.1 R59.2 R61.1 R62.1 R64.1 R65.1
/SPI_ControllerLevel_Shifter/+5VLocal: C17.1 R50.2 R54.1 R56.1 R57.1 R58.1
/Thermocouple Amplifier I2C breakout board - MCP9600/+VccMCP9600: JP19.1 JP20.1 JP21.1 R31.2 TP10.1
/Thermocouple Amplifier SPI Interface breakout board - MAX31855 /+VccMAX31855: JP16.1 JP17.1 JP18.1 R30.2 R84.2 TP9.1
/Thermocouple Amplifier with 1-Wire Breakout Board - MAX31850K/+VccMAX31850: JP1.1 JP2.3 JP3.3 JP4.3 JP5.3 JP6.1 JP7.3 JP8.3 JP9.7 JP10.7 JP11.3 JP12.3 JP13.1 JP14.3 JP15.7 R17.2 R82.2 R83.2 TP5.1
GND: A1.GND1 A1.GND2 A1.GND3 A1.GND4 A1.GND5 A1.GND6 C1.2 C2.2 C3.2 C4.2 C5.2 C6.2 C7.2 C8.2 C9.2 C10.2 C11.2 C12.2 C13.2 C14.2 C15.2 C16.2 C17.2 C18.2 C19.2 C20.2 C21.2 C22.1 C23.2 C24.2 D1.2 D2.2 D4.1 H1.1 H2.1 H3.1 H4.1 H5.1 J1.0 J1.3 J1.6 J1.7 J1.8 J1.9 J3.2 J3.3 J7.7 J8.35 J8.36 J9.3 J9.5 J9.7 J9.8 J9.9 J10.6 J10.10 J10.14 J10.16 J10.18 J10.22 J11.2 J12.2 J15.0 J15.14 J15.15 J15.16 J15.17 J18.1 J20.1 J21.3 J24.3 J26.3 J26.5 J26.7 J26.8 J26.9 J27.6 J27.10 J27.14 J27.16 J27.18 J27.22 J32.1 J32.2 J33.1 J33.2 J34.1 J34.2 J35.9 J36.9 JP1.3 JP2.1 JP3.1 JP4.1 JP5.1 JP6.3 JP7.1 JP8.1 JP9.8 JP10.8 JP11.1 JP12.1 JP13.3 JP14.1 JP15.8 JP16.3 JP17.3 JP18.3 JP19.2 JP20.2 JP21.2 Q1.2 Q3.2 Q4.2 Q11.2 Q12.2 Q13.2 Q14.2 R32.1 R43.2 R46.2 R63.1 R81.2 R85.1 R86.1 R87.1 R102.1 R104.2 R113.2 R114.2 R125.1 R128.1 R142.2 R143.2 R162.2 S1.1 S1.2 S2.1 S2.2 TP1.1 TP3.1 TP4.1 TP11.1 TP21.1
/ACI: J10.13 J14.7
/ACI2: J27.13 J29.7
/AUX: J9.6 J10.12 J10.17 J10.21 J14.9 J14.10 R123.1 R140.1
/AUX2: J26.6 J27.12 J27.17 J27.21 J29.9 J29.10 R126.1 R141.1
/Blower controller/FAN1_FG: R11.1 R42.1 R43.1
/Blower controller/FAN_POWER: R10.1 R45.2 R46.1
/Blower controller/LOOPBACK13: J15.13 J18.4 R92.1
/Blower controller/LOOPBACK25: J15.25 J18.3 R91.1
/Blower controller/nFAN1_PWM: R12.1 R34.1 R38.2 R41.2
/Blower controller/PWMFan1: C8.1 J15.1 J17.1 R33.1
/Blower controller/PWMFan2: C9.1 J15.2 J17.2
/Blower controller/PWMFan3: C10.1 J15.3 J17.3
/Blower controller/PWMFan4: C11.1 J15.4 J17.4
/Blower controller/Switched_Fan_Power: C4.1 J15.9 J15.10 J15.11 J15.12 J20.2 Q2.2 R90.2 TPSwitched_Fan_Power1.1
/Blower controller/TachFan1: C7.1 D2.1 J15.5 J16.1 J20.3 R35.2 R37.1 R42.2
/Blower controller/TachFan2: C6.1 J15.6 J16.2
/Blower controller/TachFan3: C5.1 J15.7 J16.3
/Blower controller/TachFan4: C3.1 J15.8 J16.4
/D_PSU_RX: A1.D19 D_PSU_RX1.1 J2.6 R14.2
/D_PSU_RX2: A1.D17 D_PSU_RX2.1 J2.4 R100.2
/D_PSU_TX: A1.D18 D_PSU_TX1.1 J2.5 R15.1
/D_PSU_TX2: A1.D16 D_PSU_TX2.1 J2.3 R111.1
/Display Interface/Beeper: J35.1 R149.1
/Display Interface/BTN_EN1: J36.3 R156.2
/Display Interface/BTN_EN2: J36.5 R157.2
/Display Interface/BTN_ENC: J35.2 R155.2
/Display Interface/LCD_MOSI/CS: J35.3 R146.1
/Display Interface/LCD_RS: J35.4 R145.1
/Display Interface/LCD_SCK: J35.5 R144.1
/Display Interface/LED_Blue: J35.8 R159.2
/Display Interface/LED_Green: J35.7 R160.2
/Display Interface/LED_Red: J35.6 R158.2
/Display Interface/RESET: J36.8
/Display Interface/SD_CS: J36.4 R152.1
/Display Interface/SD_DET: J36.7 R154.1
/Display Interface/SD_MISO: J36.1 R150.1
/Display Interface/SD_MOSI: J36.6 R151.1
/Display Interface/SD_SCK: J36.2 R153.1
/Display Interface/STOP/KILL: J36.10 R148.1
/EN2+: J27.11 J29.6 R141.2
/EN2-: J27.9 J29.5 Q14.3
/EN+: J10.11 J14.6 R140.2
/EN-: J10.9 J14.5 Q13.3
/I2C_LevelShift/I2C_VCC: J23.1 J24.1 R74.1 R75.1 TP17.1
/I2C_LevelShift/SCL_3.3V: Q9.2 R67.2 R166.1
/I2C_LevelShift/SCL_5V: C20.1 J1.2 J24.2 R71.1 TP18.1
/I2C_LevelShift/SDA_3.3V: Q10.2 R68.2 R165.1
/I2C_LevelShift/SDA_5V: C21.1 J1.4 J24.4 R72.1 TP19.1
/PAR: J10.7 J14.4
/PAR2: J27.7 J29.4
/POK: J10.5 J14.3
/POK2: J27.5 J29.3
/PS2_SCL: J27.19 R112.2
/PS2_SDA: J26.10 J27.20 R99.1
/PS_SCL: J10.19 R16.2
/PS_SDA: J9.10 J10.20 R13.1
/RX: J10.23 R15.2
/RX2: J27.23 R111.2
/SD_CS: A1.D4 J6.5 R152.2
/SPI_ControllerLevel_Shifter/C_SCK: C13.1 J21.4 Q7.3 R52.1 R57.2 TP14.1
/SPI_ControllerLevel_Shifter/CIPO: C12.1 J21.6 Q6.3 R51.1 R56.2 TP13.1
/SPI_ControllerLevel_Shifter/CIPO_3V3: Q6.2 R51.2 R60.2 R62.2 R95.1
/SPI_ControllerLevel_Shifter/ControllerVcc: J21.5 J22.1 R49.1 TP12.1
/SPI_ControllerLevel_Shifter/COPI: C14.1 J21.2 Q8.3 R53.1 R58.2 TP15.1
/SPI_ControllerLevel_Shifter/COPI_3V3: Q8.2 R53.2 R65.2 R94.1
/SPI_ControllerLevel_Shifter/COPI_nCS: Q5.2 R55.2 R61.2 R96.1
/SPI_ControllerLevel_Shifter/nCS: C15.1 J21.1 Q5.3 R54.2 R55.1 TP16.1
/SPI_ControllerLevel_Shifter/SCK_3V3: Q7.2 R52.2 R64.2 R93.1
/SSR Interface/Heater1: R9.2 R47.1 R81.1
/SSR Interface/Heater2: R97.2 R113.1 R115.1
